# KiCad board (Eagle)PowerUnit-Bseries(ver2.0).kicad_pcb (continued)
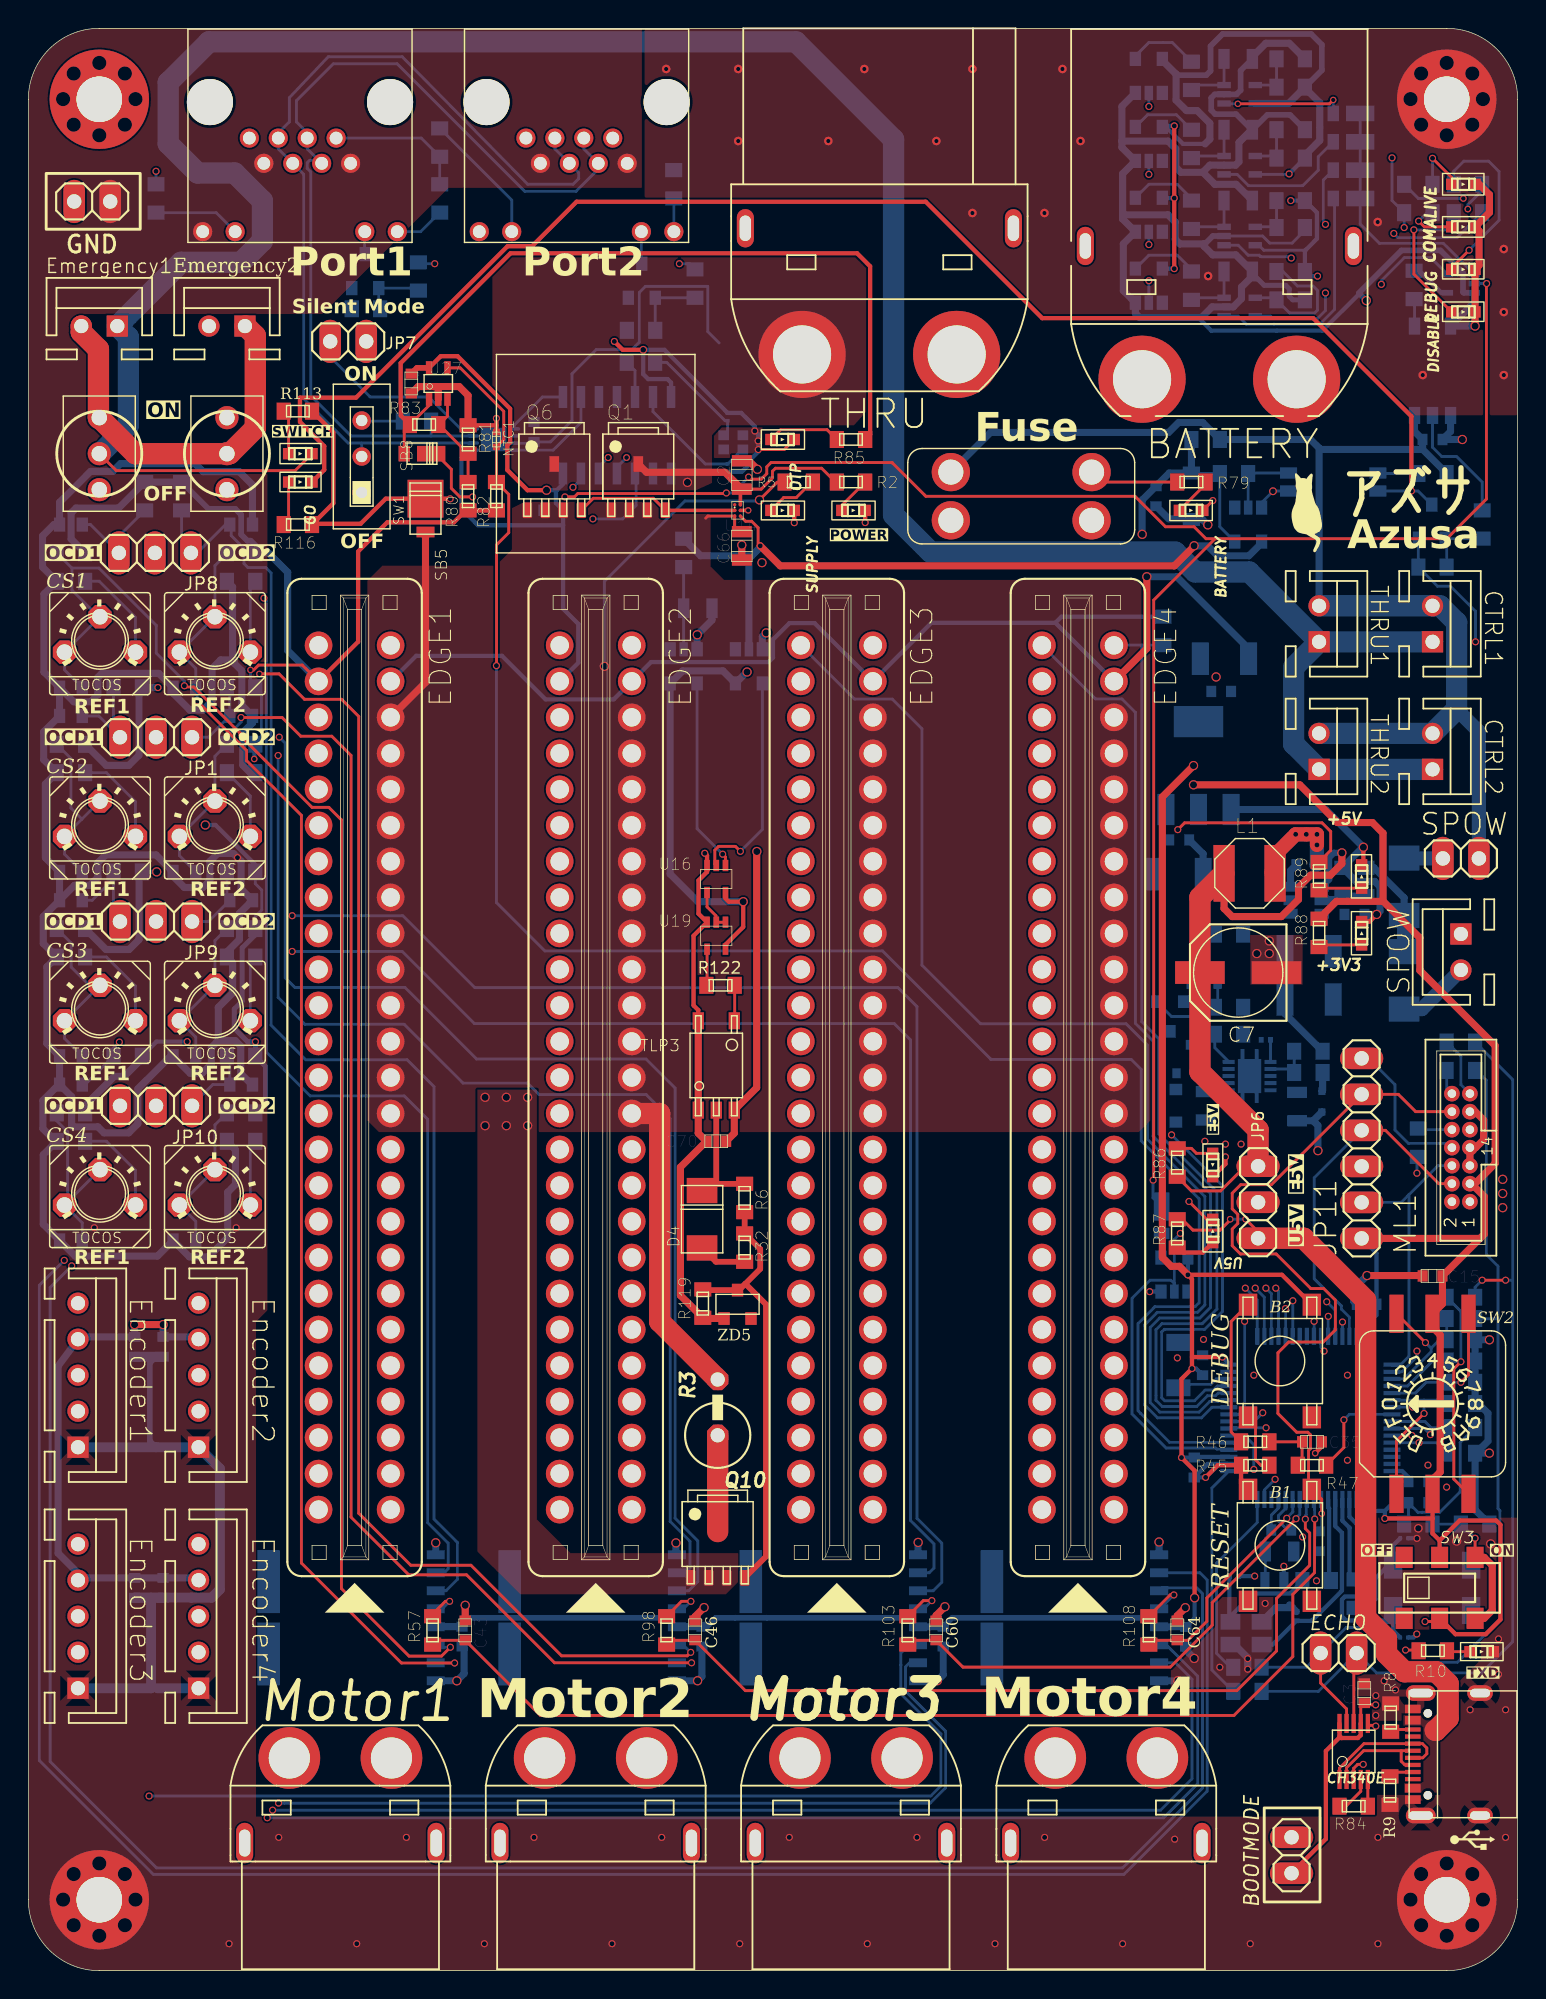
[diagram p0: board, top side]
## Routing (per net, layer and track width the routed paths; a pad name or vN(x,y) marks a point on that pad's centre or on a via; arc(x,y) is an arc through that point) (continued)
ALIVE_LED: length 91
  In1.Cu w0.2: v1(92.65,45.75) 92.65,50.74 92.8,50.59 95.2,50.59 96.65,52.04 96.65,97.4 100,100.75 100,121 102.1,123.1 102.1,124.4 101.5,125 v3(101.17,125)
  Bottom w0.2: R42.RIGHT 98,125 v3(101.17,125) ; U1.P45 92.65,44.75 v1(92.65,45.75)
BOOT0: length 35.7
  In1.Cu w0.2: BOOTMODE.1 90.04,10.39 90.04,24.54 98.05,32.55 v1(98.05,37.24)
  Bottom w0.2: U1.P60 v1(98.05,37.24) 99.31,37.24 100,36.55 R11.LEFT
CAN_H: length 66.2
  Bottom w0.2: RJ45_1.5 19.66,129.62 ; RJ45_1.5 19.66,129.64 18.9,130.4 18.9,131.9 21.5,134.5 26,134.5 35,125.5 38.61,125.5 40.18,127.07 RJ45_2.6 39.16,128.5 RJ45_2.5 ; RJ45_1.5 19.66,128.5 RJ45_1.6 20.32,127.48 20.11,127.69 19.83,127.69 19.66,127.52 19.66,127.13 19.91,126.88 19.91,111.09 22.75,108.25 28.4,108.25 ; R7.RIGHT 28.4,108.25 ; 28.4,108.25 U$1.CANH
CAN_L: length 65.6
  Bottom w0.2: SW1.C 23.5,107.75 ; 23.5,107.75 22.54,107.75 19.41,110.88 19.41,126.71 RJ45_1.4 17.62,128.5 RJ45_1.3 17.62,129.62 18.4,130.4 18.4,132.11 21.15,135 26.35,135 35.21,126 38.4,126 38.8,126.4 38.8,126.82 RJ45_2.4 37.12,128.5 RJ45_2.3 ; 23.5,107.75 U$1.CANL
COM_LED: length 161.4
  In1.Cu w0.2: v1(97,122.95) 97,100.1 95,98.1 95,78.95 91.54,75.49 v1(91.54,47.18) ; v1(96.14,127.87) 95.13,127.87 87.89,120.63 78.28,120.63 75.54,123.36 73.2,123.36 70.23,120.4 v1(45.9,120.4) v1(28.65,120.4)
  Bottom w0.2: v1(97,122.95) R43.RIGHT 96.14,124.86 v1(96.14,127.87) ; v1(45.9,120.4) 46.6,120.4 R40.RIGHT ; v1(91.54,47.18) 92.14,46.58 U1.P44 ; v1(28.65,120.4) 27.5,120.4 R39.RIGHT
CS: length 100.1
  In1.Cu w0.2: v1(85.8,48.14) 85.8,48.18 81.15,52.83 81.15,59.18 78.85,61.48 78.85,93.85 76.45,96.25 43.9,96.25 38.4,101.75 v1(38.4,104.63)
  Bottom w0.2: v1(85.8,48.14) 86.64,47.3 U1.P33 ; U2.NCS 38.96,105.6 38.96,105.19 38.4,104.63 v1(38.4,104.63)
CS1_OCD1: length 97.4
  In1.Cu w0.2: JP8.3 9.57,96.81 v1(16.61,96.81)
  Bottom w0.2: v1(16.61,96.81) 16.61,96.79 16.78,96.62 16.78,64.79 19.87,61.7 26.5,61.7 28.15,60.05 28.15,31.6 29.6,30.15 29.6,28.35 29.4,28.15 28.81,28.15 U4.OCD1 ; R58.LEFT 6.38,101.18 JP8.3 4.38,102 C44.L
CS1_OCD2: length 94.7
  Bottom w0.2: R59.LEFT 10.8,100.66 JP8.1 11.9,100 13.9,102 C45.L 14.3,101.9 14.3,101.23 15.2,100.33 15.2,99.25 15.48,98.97 16.74,98.97 17.11,98.59 17.11,66.69 19.55,64.25 26.7,64.25 28.6,62.35 28.6,31.85 30.25,30.2 30.25,27.6 29.45,26.8 U4.OCD2
CS1_REF1: length 105.4
  Top w0.2: v1(11,90.63) 11.09,90.54 11.67,90.54 14.92,87.29 14.92,87.13 20,82.05 21.19,82.05 22.07,81.17 22.07,26.95 26.84,22.19 29.13,22.19 v1(29.75,22.81)
  Bottom w0.2: 3.07,98.93 R1.LEFT ; 3.07,98.93 3.07,97.38 4.95,95.5 TP1.CENTER TP1.LEFT 2.55,91.75 C41.L ; 3.07,98.93 4.98,98.93 9.02,94.89 9.02,92.93 11,90.95 v1(11,90.63) ; v1(29.75,22.81) 28.9,22.81 U4.REF1
CS1_REF2: length 91.3
  Top w0.2: v1(11.9,89.55) 15.39,86.06 15.39,85.35 19.25,81.49 19.25,28.75 26.3,21.7 v1(30.05,21.7)
  Bottom w0.2: v1(11.9,89.55) 11.9,90.39 11.8,90.49 C42.L 11.8,91.85 TP2.LEFT TP2.CENTER 13.15,99.1 14,99.95 R55.LEFT ; U4.REF2 28.74,21.7 v1(30.05,21.7)
CS2_OCD1: length 100.9
  In1.Cu w0.2: JP1.3 8.61,84.85 12.01,84.85 13.61,86.45 16.88,86.45 17.61,85.71 v1(17.61,85.71)
  Bottom w0.2: 6,87.46 4.96,88.5 C48.L ; 6,87.46 R24.LEFT ; 6,87.46 JP1.3 ; U6.OCD1 46.29,28.06 46.3,28.05 46.65,28.4 46.65,30.28 45.25,31.68 45.25,60.1 43.55,61.8 36.01,61.8 35.2,62.6 30.65,62.6 26.5,66.75 19.5,66.75 17.61,68.64 17.61,85.61 17.61,85.61 v1(17.61,85.71)
CS2_OCD2: length 96.6
  In1.Cu w0.2: v1(17.69,87.01) 11.55,87.01 JP1.1
  Bottom w0.2: v1(17.69,87.01) 18.11,86.58 18.11,70.03 18.79,69.35 26.55,69.35 31.6,64.3 43.55,64.3 45.6,62.25 45.6,31.91 47.2,30.31 47.2,27.45 46.55,26.8 45.73,26.8 U6.OCD2 ; R33.LEFT 14.2,90.3 C49.L 12.7,87 JP1.1
CS2_REF1: length 124.6
  Top w0.2: v1(46.7,22.45) 46.45,22.21 37.6,22.21 31.21,28.6 26.96,28.6 23.29,32.26 23.29,88.47 22.08,89.67 19.47,89.67 17.68,91.47 16.29,91.47 v4(16.29,91.47)
  In1.Cu w0.2: TP3.CENTER 5.05,88.95 7.3,91.2 16.03,91.2 v4(16.29,91.47)
  Bottom w0.2: TP3.CENTER 3.78,81.23 ; 3.78,81.23 3,82 3,85.5 R67.LEFT ; 3.78,81.23 TP3.LEFT 2.55,78.75 C39.L ; U6.REF1 46.16,22.99 v1(46.7,22.45)
CS2_REF2: length 105
  Top w0.2: v1(15,88.39) 17.89,88.39 19.21,87.07 21.39,87.07 22.75,85.72 22.75,31.99 26.82,27.92 30.9,27.92 37.1,21.72 v1(46.76,21.72)
  Bottom w0.2: v1(15,88.39) 15,88.07 14,87.07 R96.LEFT 13.15,85.65 TP4.CENTER TP4.LEFT 10.65,78.65 C40.L ; v1(46.76,21.72) U6.REF2
CS3_OCD1: length 105.4
  In1.Cu w0.2: JP9.3 8.57,71.89 v1(18.6,71.89)
  Bottom w0.2: v1(18.6,71.89) 26.36,71.89 31.45,66.8 61.05,66.8 62.2,65.65 62.2,31.75 63.85,30.1 63.85,28.4 63.52,28.06 U8.OCD1 ; C51.L 4.5,75.5 6,77 R63.LEFT 6,74.46 JP9.3
CS3_OCD2: length 102.7
  In1.Cu w0.2: v1(18.6,74.41) 11.95,74.41 JP9.1
  Bottom w0.2: U8.OCD2 63.8,26.8 64.4,27.4 64.4,30.15 62.65,31.9 62.65,68 61.31,69.34 31.47,69.34 26.4,74.41 18.6,74.41 v1(18.6,74.41) ; JP9.1 12.7,74 C52.L 14,75.5 R64.LEFT
CS3_REF1: length 140.2
  In1.Cu w0.2: TP5.LEFT 2.55,55.8 1.49,54.74 1.49,49.4 2.58,48.31 5.61,48.31 8.51,45.4 8.51,12.32 v1(8.51,12.32)
  Bottom w0.2: U8.REF1 62.09,22.99 61.51,22.41 61.51,21.56 61.51,21.56 61.51,19.52 64.34,16.69 64.34,13.03 63.62,12.32 v1(8.51,12.32) ; R99.LEFT 3.02,72.48 3.02,70.79 4.3,69.5 TP5.CENTER TP5.LEFT 2.55,65.75 C58.L
CS3_REF2: length 128.7
  In1.Cu w0.2: v1(17.64,11.82) 15.02,14.44 15.02,44.77 16.87,46.61 16.87,59.08 10.65,65.3 10.65,67 TP6.LEFT
  Bottom w0.2: v1(17.64,11.82) 17.65,11.81 18.05,11.81 18.05,11.81 63.58,11.81 64.67,12.9 64.67,16.89 61.84,19.72 61.84,21.42 62.13,21.72 U8.REF2 ; R101.LEFT 13.15,72.65 TP6.CENTER TP6.LEFT 11.8,65.85 C59.L
CS4_OCD1: length 164.7
  In1.Cu w0.2: v1(2.53,50.1) 2.53,52.44 3.72,53.63 3.72,59.72 5,61 JP10.3 6.42,61.04 6.42,65.52 6.42,65.52 v1(6.42,65.5)
  Bottom w0.2: U9.OCD1 82.61,28.06 83.11,27.56 83.11,12.66 77.24,6.79 8.81,6.79 0.77,14.83 0.77,48.34 v1(2.53,50.1) ; C54.L 4,62.5 R69.LEFT 6,65.08 v1(6.42,65.5)
CS4_OCD2: length 160
  In1.Cu w0.2: JP10.1 11.5,60.96 11.86,60.96 3.06,52.15 v1(3.06,49.71)
  Bottom w0.2: JP10.1 11.54,61.04 13,62.5 C55.L 14.2,64.3 R70.LEFT ; U9.OCD2 79.93,27 82.38,27 82.78,26.59 82.78,12.88 77.15,7.25 9.04,7.25 1.53,14.75 1.53,48.19 v1(3.06,49.71)
CS4_REF1: length 146.4
  In1.Cu w0.2: TP7.LEFT 1.98,53.43 1.98,49.87 2.74,49.12 12.67,49.12 14.11,47.68 14.11,13.52 v1(16.84,10.78)
  Bottom w0.2: TP7.CENTER 2.77,54.22 ; 2.77,54.22 TP7.LEFT 3.8,52.75 C62.L ; 2.77,54.22 2.77,59.17 2,59.94 R104.LEFT ; v1(16.84,10.78) 80.05,10.78 82.44,13.18 82.44,20.77 80.23,22.99 U9.REF1
CS4_REF2: length 131.8
  In1.Cu w0.2: TP8.LEFT 14.57,50.08 14.57,13.97 v1(17.22,11.32)
  Bottom w0.2: C63.L 11.8,52.85 TP8.LEFT TP8.CENTER 13.15,59.65 R106.LEFT ; v1(17.22,11.32) 17.22,11.32 79.82,11.32 82.04,13.54 82.04,20.55 80.88,21.72 U9.REF2
CURRENT1: length 76.4
  Top w0.2: R57.LEFT 28.8,23.3 C43.P$2 36.1,18 85,18 89.15,22.15 89.15,26.54 90.68,28.07 v1(90.7,31.85)
  Bottom w0.2: U1.P8 90.67,33.21 90.69,31.86 v1(90.7,31.85)
CURRENT2: length 57.6
  Top w0.2: R98.LEFT 45.3,23.3 C46.P$2 50.55,19.75 85.2,19.75 88,22.55 88,26.25 90.34,28.59 90.34,30.87 90.03,31.18 v1(90.03,31.84)
  Bottom w0.2: U1.P9 90.1,33.2 90.1,32.15 90.03,32.08 v1(90.03,31.84)
CURRENT3: length 35.1
  Top w0.2: v1(89.38,31.88) 89.39,31.88 83.47,25.96 83.47,24.37 80.51,21.41 65.89,21.41 C60.P$2 62.3,23.3 R103.LEFT
  Bottom w0.2: U1.P10 89.64,32.17 89.38,31.94 v1(89.38,31.88)
CURRENT4: length 15.9
  Top w0.2: v1(88.72,31.91) 88.72,31.92 83.09,26.28 83.09,24.64 81.75,23.3 C64.P$2 79.3,23.3 R108.LEFT
  Bottom w0.2: v1(88.72,31.91) 88.72,31.93 89.15,32.35 89.15,33.23 U1.P11
DEBUG_BT: length 7.3
  Top w0.2: v1(92.75,38.85) 92.75,36.9 R47.RIGHT
  Bottom w0.2: v1(92.75,38.85) 93.14,39.24 U1.P56
DEBUG_LED: length 85.9
  In1.Cu w0.2: v1(91.65,46.15) 92.15,46.65 92.15,47.9 91.94,48.11 91.94,74.44 95.52,78.02 95.52,97.37 99,100.85 99,121.4 101.48,123.88 101.48,124.25 v3(101.49,124.25)
  Bottom w0.2: v1(91.65,46.15) 91.64,46.15 U1.P43 ; R44.RIGHT 102.5,125.57 101.49,124.56 v3(101.49,124.25)
DEBUG_SW: length 4
  Bottom w0.2: U1.P57 98.46,38.74 98.9,38.3 R50.RIGHT
DIP_SW1: length 11.4
  Top w0.2: SW2.1 96.46,37.36 v1(98.4,39.3)
  Bottom w0.2: v1(98.4,39.3) 98.4,40.24 ; 98.4,40.24 U1.P54 ; 98.4,40.24 99.76,40.24 R41.RIGHT
DIP_SW2: length 10.2
  Top w0.2: SW2.2 101.54,42.04 v1(101,41.5)
  Bottom w0.2: v1(101,41.5) R31.RIGHT 98.55,41.5 97.79,40.74 U1.P53
DIP_SW3: length 20.5
  Top w0.2: SW2.4 100.5,34.67 100.5,42.45 v1(101,42.95)
  Bottom w0.2: U1.P52 97.24,41.24 99,43 R30.RIGHT 100.05,42.95 v1(101,42.95) 101,46.5 R25.RIGHT
DIP_SW4: length 10.1
  Top w0.2: SW2.8 96.47,46.33 v1(98.5,44.3)
  Bottom w0.2: 98.9,43.9 99.5,44.5 R29.RIGHT R26.RIGHT ; 98.9,43.9 v1(98.5,44.3) ; 98.9,43.9 98.9,43.65 96.99,41.74 U1.P51
DIR1: length 105.9
  In1.Cu w0.2: EDGE1.P$26 24.24,89.7 26.65,89.7 36.81,79.54 60.16,79.54 61.45,78.25 61.45,57.55 70,49 81,49 87,43 87,39.38 v1(87.03,39.35)
  Bottom w0.2: v1(87.03,39.35) 86.42,38.74 U1.P24
DIR2: length 91.9
  In1.Cu w0.2: v1(85.75,45.8) 79.95,51.6 70.89,51.6 63.35,59.14 63.35,82.35 61.05,84.65 41.5,84.65 39.75,86.4 39.75,91.2 37.47,93.48 EDGE2.P$26
  Bottom w0.2: U1.P25 85.34,39.24 85.75,39.65 v1(85.75,45.8)
DIR3: length 83
  Bottom w0.2: U1.P26 83.45,39.74 82.71,38.99 79.61,38.99 78.7,39.9 78.7,45.54 79.59,46.43 82.43,46.43 82.95,46.95 82.95,54.6 78.9,58.65 78.9,65.28 77.39,66.79 67.13,66.79 63,70.92 63,87.6 60.91,89.69 58.25,89.69 EDGE3.P$26
DIR4: length 69
  Bottom w0.2: EDGE4.P$26 75.24,89.7 77.1,89.7 78.05,88.75 78.05,88.74 78.05,66.82 79.3,65.57 79.3,58.86 83.35,54.81 83.35,46.78 82.6,46.03 79.76,46.03 79.1,45.37 79.1,40.07 79.77,39.39 82.54,39.39 83.3,40.15 83.87,40.15 83.96,40.24 U1.P27
DISABLE: length 119.2
  In1.Cu w0.2: v1(96.27,122.53) 96.27,101.18 93.52,98.44 93.52,78.52 90.2,75.2 90.2,49.4 87.9,47.1 86.1,47.1 82,51.2 82,51.2 81.22,51.98 v1(81.22,52)
  Bottom w0.152: U1.P20 84.59,36.78
  Bottom w0.2: v1(81.22,52) 80.8,51.58 U22.IN 80.8,48.45 80.55,48.7 79.09,48.7 77.82,47.43 77.82,39.27 80.22,36.86 83.72,36.86 83.8,36.78 84.59,36.78 ; v1(96.27,122.53) 96.57,122.24 100.74,122.24 R90.RIGHT
E5V: length 47
  Top w0.2: JP6.3 85.8,56.74 84.06,55 82,55 R86.RIGHT
  Top w0.5: L1.R 84.3,74.92 84.87,74.35 88.34,74.35 89.55,75.56 89.55,76.41 90.41,77.27 91.8,77.27 92.61,78.08 v2(92.61,78.84)
  Top w1.5: JP6.3 86.7,59.3 82.6,63.4 C7.ANODE 82.6,75.7 L1.R
  Bottom w0.45: v2(92.61,78.84) 92.04,78.84 91.71,78.51 91.71,76.97 U5.FB
EMERGENCY: length 53.3
  Top w0.2: v1(51.6,100.5) 51.45,100.5 51.45,101.78 51,102.23 50.57,102.23 U14.VCT
  Top w0.5: v1(51.6,100.5) 53.01,99.09 80.8,99.09 82.19,100.48 v2(82.19,100.51)
  Bottom w0.2: 50.8,99.6 51,99.8
  Bottom w0.5: U21.OUT 86.95,100.7 86.05,99.8 83.85,99.8 83.16,100.49 82.2,100.49 v2(82.19,100.51) ; v1(51.6,100.5) 51.6,100.4 51,99.8 47.4,99.8 R120.RIGHT ; U18.IN 50.8,99.6
ENC1_A: length 160
  In1.Cu w0.2: 4,42 7,39 7,10.35 13.27,4.08 84.82,4.08 86.8,6.06 86.8,9.88 88.85,11.93 88.85,18.12 89.38,18.65 89.38,24.81 92.05,27.48 92.05,45 91.25,45.8 v1(90.65,45.8)
  Bottom w0.2: v1(90.65,45.8) 90.65,44.75 U1.P41
ENC1_B: length 160.5
  In1.Cu w0.2: v1(91.35,43.7) 91.65,43.4 91.65,27.6 89.04,25 89.04,19.34 88.36,18.66 88.36,12.1 86.4,10.13 86.4,6.63 84.47,4.7 13.44,4.7 8,10.14 8,43.08 4,47.08
  Bottom w0.2: v1(91.35,43.7) 91.14,43.96 U1.P42
ENC2_A: length 139.1
  In1.Cu w0.2: Encoder2.3 13.71,40.29 13.71,8.09 14.61,7.18 83.62,7.18 84.62,8.18 84.62,10.89 86.48,12.75 86.48,20.55 87.72,21.78 87.72,27.13 87.06,27.79 87.06,34.69 v1(86.4,35.35)
  Bottom w0.2: U1.P22 84.65,37.75 85.75,37.75 86.4,37.1 v1(86.4,35.35)
ENC2_B: length 148.6
  In1.Cu w0.2: Encoder2.5 10.55,45.63 10.55,35.77 13.31,33.02 13.31,7.64 14.38,6.57 83.87,6.57 84.95,7.65 84.95,10.75 86.82,12.62 86.82,20 88.05,21.24 88.05,27.27 87.39,27.93 87.39,38.16 v1(87.26,38.29)
  Bottom w0.2: U1.P23 84.69,38.29 v1(87.26,38.29)
ENC3_A: length 147.8
  In1.Cu w0.2: 4,25 4,24.99 5.6,23.39 5.6,10.1 13.02,2.68 87.68,2.68 104.18,19.18 104.18,32.48 v1(98.85,37.81)
  Bottom w0.2: U1.P58 98.42,38.24 v1(98.85,37.81)
ENC3_B: length 143.3
  In1.Cu w0.2: v1(97.54,37.75) 97.54,32.51 89.71,24.67 89.71,18.12 89.28,17.68 89.28,11.83 87.2,9.75 87.2,5.66 84.93,3.39 13.07,3.39 6.4,10.06 6.4,27.68 4,30.08
  Bottom w0.2: U1.P59 96.15,37.75 v1(97.54,37.75)
ENC4_A: length 136
  In1.Cu w0.2: Encoder4.3 10.75,23.75 10.75,9.19 13.98,5.96 84.11,5.96 85.4,7.25 85.4,10.6 87.3,12.5 87.3,19.43 88.38,20.5 88.38,27.6 87.89,28.1 87.89,32.49 88.63,33.23 v1(88.63,46.7)
  Bottom w0.2: U1.P37 88.64,46.69 v1(88.63,46.7)
ENC4_B: length 145.6
  In1.Cu w0.2: v1(89.15,47.25) 89.15,33.06 88.23,32.14 88.23,29.93 89.06,29.1 89.06,25.85 88.71,25.5 88.71,19.88 87.81,18.98 87.81,12.23 85.9,10.32 85.9,6.99 84.21,5.3 13.83,5.3 9,10.13 9,27.08 Encoder4.5
  Bottom w0.2: U1.P38 89.15,44.75 v1(89.15,47.25)
MISO: length 100.2
  In1.Cu w0.2: v1(40.88,106.73) 40.88,104.58 47.62,97.84 77.37,97.84 81.53,93.68 81.53,68.67 83.5,66.7 83.5,51.89 v1(87.25,48.14)
  Bottom w0.2: U2.SDO 40.23,106.08 v1(40.88,106.73) ; U1.P35 87.64,47.75 v1(87.25,48.14)
MOSI: length 98.9
  In1.Cu w0.2: v5(42.17,106.73) 42.17,106.7 50.23,98.65 77.59,98.65 82.75,93.49 82.75,85.28 88.52,79.51 88.52,48.71 v1(87.95,48.14)
  Bottom w0.2: v5(42.17,106.73) 41.5,106.05 U2.SDI ; v1(87.95,48.14) 88.14,47.95 U1.P36
N$1: length 2.9
  Top w0.2: R57.RIGHT 28.5,25.15 29.4,26.05 v1(29.7,26.05)
  Bottom w0.2: U4.VOUT 29.18,25.53 v1(29.7,26.05)
N$2: length 5.1
  Bottom w0.2: R56.RIGHT 15.65,97.65 TP2.RIGHT
N$3: length 3.7
  Top w0.2: 55.19,104.98 55.19,104.95 54.14,103.9 53.25,103.9 SUPPLY.A
N$7: length 3.1
  Top w0.2: R116.RIGHT 18.35,102.35 GO.A
N$8: length 3.3
  Bottom w0.2: U15.EN/UVLO 89,63.6 R74.LEFT R75.RIGHT
N$9: length 92.8
  In1.Cu w0.2: JP8.2 8.92,114.92 20.45,126.45 73.96,126.45 v1(79,131.49)
  Bottom w0.2: U10.IN v1(79,131.49)
N$11: length 6.8
  Top w1.5: R3.1 Q10.D
N$12: length 8.8
  Bottom w0.2: R77.LEFT 102.5,105 100.7,106.8 99.65,106.8 99,107.45 TLP1.VO
N$13: length 7.1
  Bottom w0.2: TP1.RIGHT 7.55,95.45 5,98 R54.RIGHT
N$14: length 4.6
  Bottom w0.2: R115.RIGHT 100,100.9 TR3.B R77.RIGHT
N$16: length 106.8
  Top w0.3: GO.K 20.86,105.86 20.86,107.53 19.15,109.24 19.15,110.95 23.1,110.95 33.79,121.63 35.51,121.63 38.65,124.77 63.27,124.77 71.48,116.56 90.58,116.56 97.51,109.63 v1(97.51,104.37)
  Bottom w0.2: TR3.C 97.98,104.37 v1(97.51,104.37) U20.CATHODE
N$17: length 2.7
  Top w0.2: R2.RIGHT 57.35,103.35 LED1.A
N$18: length 3.5
  Bottom w0.2: 87.92,127.93 88,128 R61.LEFT ; 87.92,127.93 R60.RIGHT ; 87.92,127.93 87.85,128 U11.IN-
N$19: length 27.3
  Top w1.5: Emergency1.2 3.73,115.58 4.94,114.37 4.94,109.6 SW4.O 7.54,107 SW5.P 14.2,107 16,108.8 16,115.32 15.32,116 INV_SW2.1
N$20: length 1.3
  Bottom w0.5: D3.C 91.25,62.09 R74.RIGHT
N$21: length 208.7
  Top w0.2: LED3.K 18.8,105.8 6.2,105.8 SW4.P
  In1.Cu w0.2: v1(102.03,93.73) CTRL1.1
  Bottom w0.2: TR3.E R115.LEFT 99.35,97.65 100.27,97.65 102.03,95.89 v1(102.03,93.73)
  Bottom w1.5: THRU1.1 89.21,91.94 89.21,86.52 THRU2.1 CTRL2.1 ; THRU1.1 86.08,98.65 82.27,98.65 80.86,100.06 63.61,100.06 61,102.67 61,129.17 54.12,136.05 12.73,136.05 9.86,133.18 9.86,128.87 11.93,126.8 14.54,126.8 16.5,124.84 16.5,122 15,120.5 10.77,120.5 Emergency1.1 7.05,115.22 7.05,109 5.05,107 SW4.P ; THRU1.1 CTRL1.1
N$22: length 13.7
  Top w0.2: U16.INB 49.15,78.55 v1(48.95,78.75)
  Bottom w0.2: U17.OUT 47.15,80.55 v1(48.95,78.75)
N$23: length 2.9
  Bottom w0.2: SW1.R 23.54,109.3 R7.LEFT
N$24: length 3.1
  Top w0.2: R113.RIGHT 18.35,109.65 LED3.A
N$25: length 6.3
  Top w0.2: R79.LEFT 75.66,105 FUSE1.R1
N$26: length 11.5
  Top w0.2: Q1.G 44.06,103.85 39.83,103.85 Q6.G
  Top w0.25: U14.VGATE2 44.92,103
  Top w0.3: Q1.G 44.92,103 44.92,103
N$27: length 4.5
  Bottom w0.2: U2.TXCAN 36.25,111 34.25,109 U$1.TXD
N$28: length 7.3
  Bottom w0.2: U2.RXCAN 38.96,109.21 37,107.25 U$1.RXD
N$29: length 1.6
  Top w0.2: R8.RIGHT 96.21,17.01 USB1.CC2
N$30: length 1.7
  Top w0.2: R9.RIGHT 96.3,14 97.6,14 USB1.CC1
N$31: length 9.3
  Top w0.2: U3.UD+ 92.44,13.49 92.44,14.28 94.17,16.01 USB1.DP2 98.29,16.01 98.6,15.7 98.6,15.3 98.31,15.01 USB1.DP1
N$32: length 7.7
  Top w0.2: 96.79,15.51 94.14,15.51 92.94,14.31 U3.UD- ; 96.79,15.51 96.79,14.77 97.05,14.51 USB1.DN2 ; 96.79,15.51 97.61,15.51 USB1.DN1
N$33: length 7.8
  Top w0.2: v1(97.1,22.61) 97.97,22.61 R10.RIGHT ; v1(95,17.25) 94.95,17.3 94.58,17.3 U3.TNOW
  In1.Cu w0.2: v1(95,17.25) 96.87,19.12 96.87,20 96.87,20 96.87,20.07 97.1,20.3 v1(97.1,22.61)
N$34: length 1.6
  Top w0.2: R10.LEFT 100.08,22.5 TXD.A
N$35: length 2.7
  Bottom w1: SPOW#2.2 97.03,78.45 D1.A
N$36: length 3.2
  Bottom w0.5: R18.LEFT R19.RIGHT 92.44,75.55 91.24,75.55 U5.EN
N$37: length 5.1
  Bottom w1: SPOW.2 98.25,67.83 D2.A
N$38: length 2.7
  Bottom w0.2: U2.OSC2 42.77,112.86 R14.LEFT
N$39: length 9.3
  Bottom w0.2: X1.1 50.33,107.3 C17.1 47.73,106.28 44.04,109.96 U2.OSC1
N$40: length 10.8
  Top w1: 87.9,78.8 L1.L 87.9,78.7 v1(89.35,80.15) v1(90.1,80.15) v1(90.85,80.15) v1(90.85,79.4)
  Top w1.5: L1.L 87.9,77.5
  Bottom w1: C6.P$2 90.85,78.05 v1(90.85,79.4) v1(90.85,80.15) v1(90.1,80.15) v1(89.35,80.15)
N$41: length 1.7
  Bottom w0.5: C6.P$1 88.99,77.59 U5.BST
N$42: length 8
  Bottom w0.2: X1.2 49.3,108.58 C16.1 49.12,109.33 45,113.44 R14.RIGHT
N$43: length 3.6
  Bottom w0.2: U7.IN- 87.85,133 R21.RIGHT R22.LEFT
N$44: length 13.6
  Bottom w0.2: U1.P16 86.64,31.62 83.77,28.75 83.77,22.38 84.65,21.5 R16.LEFT
N$45: length 16.7
  Bottom w0.2: U1.P17 83.44,34.04 83.44,21.21 R17.LEFT
N$46: length 6.1
  Bottom w0.2: U1.P13 88.14,32.64 87.64,32.13 C22.P$1 87.64,30.89 87.21,30.46 C23.P$1 87.21,27.55 FB1.2
N$47: length 7.5
  Bottom w0.2: Q11.B 83.85,68.15 R12.RIGHT 82,66.3 82,65.4 Q12.C 82.85,64.35 Q12.B
N$48: length 3.8
  Bottom w0.2: U1.P30 83.76,41.74 83.37,41.35 81.32,41.35 C24.1
N$49: length 13.9
  Bottom w0.3: X2.1 87.73,23 C27.2 90.49,24.68 92.61,26.8 92.61,30.89 92.14,31.36 U1.P5
N$50: length 6
  Bottom w0.2: R28.RIGHT 93.15,27.98
  Bottom w0.3: 93.15,27.98 93.15,31.24 92.64,31.75 U1.P4
N$51: length 6.1
  Bottom w0.2: R13.LEFT 13.24,124 RJ45_1.LED2_A
N$52: length 5.8
  Bottom w0.3: U1.P6 91.64,32.67 91.71,32.6 91.71,27.64 R27.RIGHT
N$53: length 9.4
  Bottom w0.2: 29.02,129.94 34.08,124.88 RJ45_2.LED2_A
N$54: length 9.8
  Bottom w0.3: C28.2 84.67,24.68 X2.3 84.75,24.99 86.36,26.6 88.96,26.6 89.83,27.47 R27.LEFT
N$55: length 2.9
  Top w0.3: U5V.A 82.8,50.65 81.45,50.65 81.1,51 R87.LEFT
N$56: length 7.1
  Bottom w0.3: R28.LEFT 93.64,25.7 94.47,25.7 94.97,26.19 94.97,27.66 95.69,28.39 96.07,28.39 ; C30.2 96.22,30 X3.1 96.22,28.54 96.07,28.39 ; 96.07,28.39 96.22,28.39
N$57: length 16.5
  Bottom w0.2: 96.72,23.5 C29.2 ; 96.22,25 95.92,24.7
  Bottom w0.3: 95.92,24.7 92.9,24.7 92.61,24.99 92.61,26.18 92.83,26.39 93.84,26.39 94.43,26.98 94.43,30.72 93.14,32.01 U1.P3 ; 96.22,25 X3.4 96.22,24 96.72,23.5
N$58: length 4.2
  Top w0.2: ALIVE.A 100.35,126.48 99,127.83 v1(99,127.83)
  Bottom w0.2: R42.LEFT v1(99,127.83)